# Altium PCB PCB4.PcbDoc (part 11 of 12)
Units mil, origin at the board's own origin, x right, y up, seen from the top; angles counter-clockwise.
Board outline 9204.7 x 4350.39 mil, 4 copper layers (Top Layer, Layer 1, Layer 2, Bottom Layer), stack 23.756 mil thick; 1824 components, 1732 nets, 6090 pads, 1022 vias.
Unrouted connection lines stored in the file: 2463.
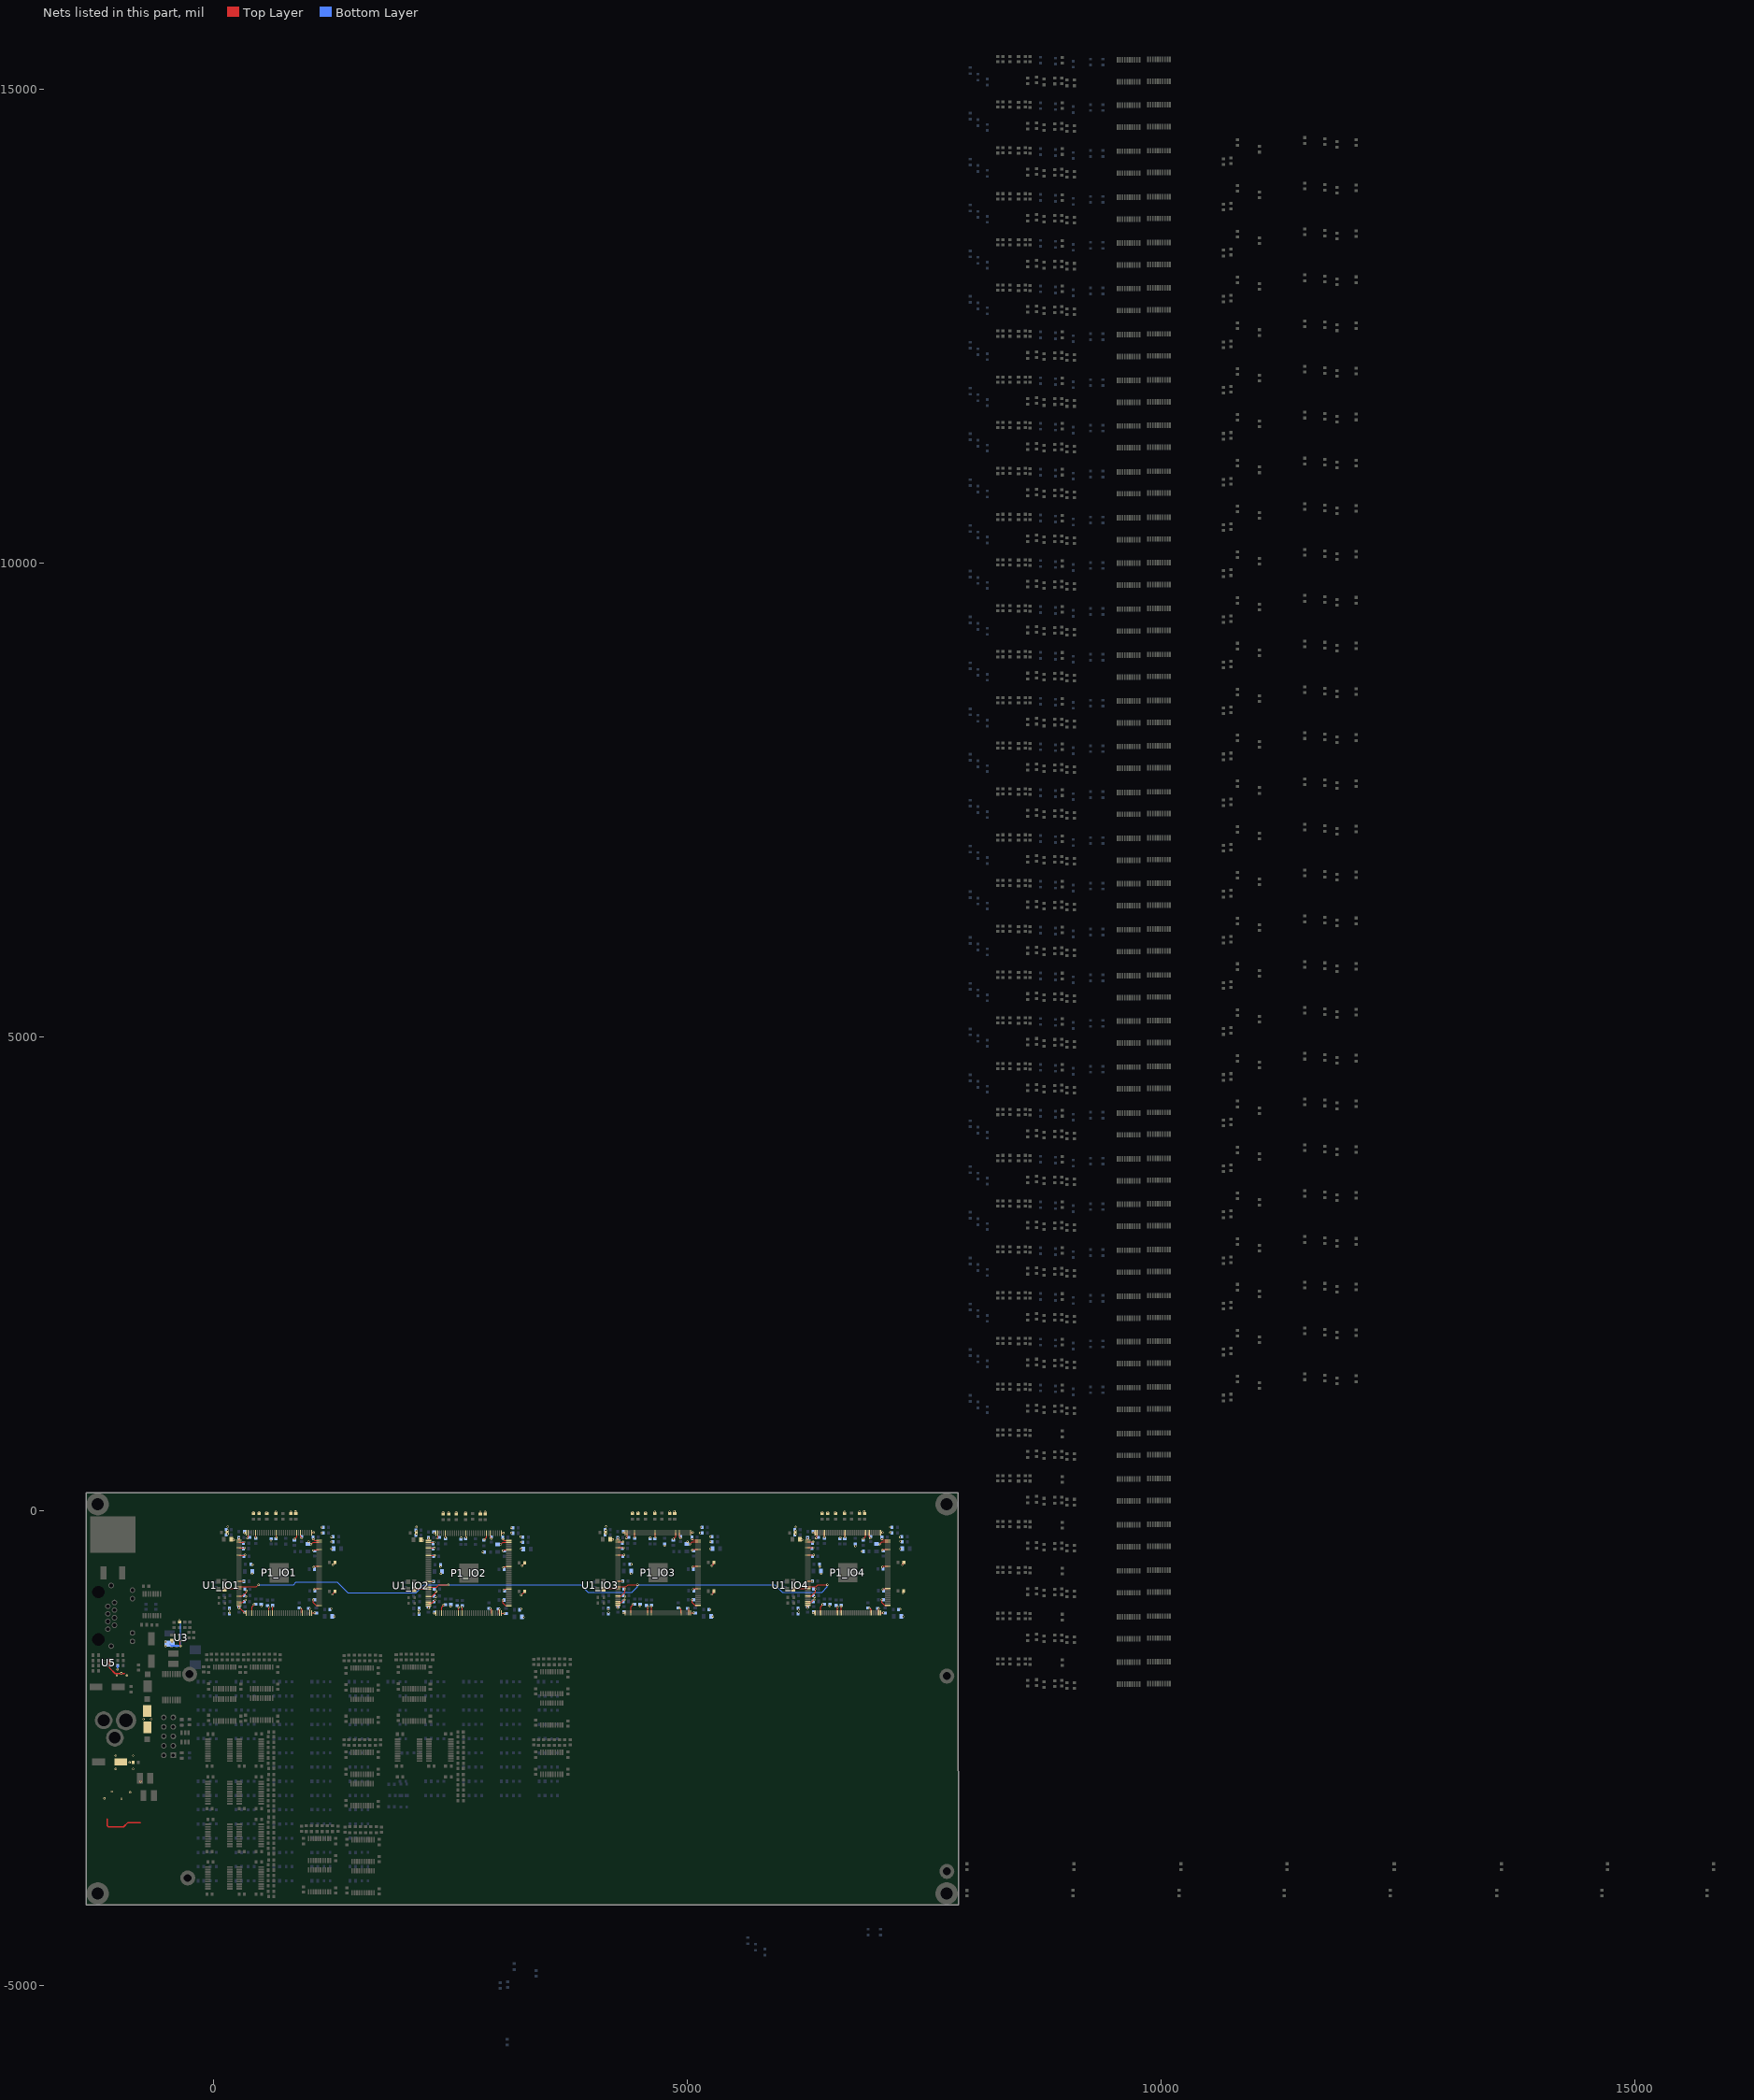
[diagram p13: the nets of this part, all layers, seen from the top]

## Via types
v1: diameter 24, hole 12, Top Layer to Bottom Layer, 1022 vias

## Nets (pads, with @x,y where several pads share a name; then routed paths per layer and width w, separated by ;. In a path a pad name is that pad's centre, name@x,y a point inside that pad or via, vN(x,y) a via of type N, cw(c..) or ccw(c..) an arc to the next point about the centre after c; other vN are vias at no path point) (continued)
VCC_12V: C19.2 C20.2 C73.1 C74.2 D5.1 D6.1 R15.2 R37.1 U3.2 U5.1 U5.8 | length 1194.8
  Top Layer w12: U3.2@-350.27,-1368.8 -350.27,-1418.22 v1(-346.97,-1421.52)
  Top Layer w15: -1119.57,-3248.51 -1117.5,-3250.58 -1117.5,-3320.6 -1115.5,-3320.6 -1104.71,-3331.39 -946.88,-3331.39 -900.64,-3285.15 -769.84,-3285.15 ; U5.1@-1092.1,-1574.22 U5.8@-1092.1,-1627.37 -1092.1,-1656.58 -1035.48,-1713.2 -934.47,-1713.2
  Bottom Layer w12: C19.2@-461.8,-1399.52 C19.2@-439.8,-1421.52 ; v1(-357.6,-1152.6) -346.97,-1163.23 v1(-346.97,-1421.52)
  Bottom Layer w15: v1@-1009.95,-1664.92 -1009.66,-1664.64 R37.1@-1009.66,-1629.32
  Bottom Layer w20: C19.2@-439.8,-1421.52 v1(-346.97,-1421.52)
  other v1: -968.5,-3035.6 -1148.5,-3029.6 -876.5,-2967.6 -1069.5,-2958.6 -769.25,-2851.29 -1028.4,-2719.5 -845.7,-2719.5 -883.9,-2651.8 -1028.4,-2579 -845.7,-2579 -736.2,-2194.1 -656.7,-2194.1 -1018.16,-1735.42 -910.76,-1735.42 -970.16,-1709.82 -1010.26,-1667.92 -503,-1422.2 -503,-1380 -435.3,-1380.5
VCC_FPGA_IO1: C2_POWER1.1 C3_POWER1.1 C4_POWER1.1 C5_POWER1.1 C6_POWER1.1 C7_POWER1.1 C9_POWER1.1 C10_POWER1.2 C11_POWER1.2 C12_POWER1.1 C13_POWER1.1 C15_POWER1.1 C16_POWER1.1 C17_POWER1.1 C23_POWER1.1 C24_POWER1.1 C45_POWER1.1 C46_POWER1.2 C47_POWER1.1 C48_POWER1.1 C49_POWER1.1 C51_POWER1.1 C52_POWER1.1 C53_POWER1.1 C54_POWER1.1 C55_POWER1.2 C56_POWER1.2 C57_POWER1.1 C58_POWER1.1 C59_POWER1.1 C60_POWER1.1 C61_POWER1.1 C62_POWER1.1 C64_POWER1.1 C65_POWER1.1 C66_POWER1.1 C67_POWER1.1 C68_POWER1.1 C69_POWER1.2 C70_POWER1.2 C71_POWER1.2 C72_POWER1.2 L1_POWER1.2 L3_POWER1.2 P1_IO1.1 P1_IO1.2 P1_IO1.5 P1_IO1.9 P1_IO1.23 P1_IO1.31 P1_IO1.34 P1_IO1.35 P1_IO1.36 P1_IO1.37 P1_IO1.40 P1_IO1.49 P1_IO1.51 P1_IO1.67 P1_IO1.71 P1_IO1.72 P1_IO1.73 P1_IO1.82 P1_IO1.94 P1_IO1.103 P1_IO1.107 P1_IO1.108 P1_IO1.109 P1_IO1.115 P1_IO1.117 P1_IO1.128 P1_IO1.139 P1_IO1.143 P1_IO1.144 R1_IO1.1 R2_IO1.1 R3_IO1.1 R4_IO1.1 R5_IO1.1 R6_IO1.1 R7_IO1.1 R14_IO1.2 R20_IO1.2 | length 1793.6
  Top Layer w10: v1(270.1,-282.67) 270.1,-305.95 P1_IO1.1@270.71,-306.57 P1_IO1.1@270.95,-306.81 ; 270.71,-966.02 305.48,-966.02 325.2,-946.3 325.41,-946.3 334.41,-937.3 v1(338.2,-937.3) ; P1_IO1.31@270.71,-897.12 270.93,-896.9 307.6,-896.9 349.2,-855.3 v1(349.2,-841.3) ; P1_IO1.23@270.71,-739.64 v1(319.66,-739.64) ; P1_IO1.9@270.71,-464.05 270.96,-464.3 332.06,-464.3 v1@334.78,-461.59 ; P1_IO1.5@270.71,-385.31 271.26,-385.85 330.42,-385.85 v1(330.97,-386.4) ; P1_IO1.2@270.71,-326.25 270.95,-326.01 327.26,-326.01 v1(327.5,-325.76) ; P1_IO1.36@270.83,-995.42 P1_IO1.36@270.71,-995.54 270.71,-1015.54 328.98,-1073.81 P1_IO1.37@348.98,-1073.81 ; v1(328.96,-228.2) 329.06,-228.3 P1_IO1.144@348.98,-228.3 P1_IO1.144@349.22,-228.05 ; v1(360.52,-283.77) 360.66,-283.77 368.66,-275.77 P1_IO1.143@368.66,-228.3 ; P1_IO1.40@408.03,-1073.81 408.03,-1009.46 429.26,-988.24 v1(429.26,-986.1) ; v1(447.4,-277.25) P1_IO1.139@447.4,-228.3 ; P1_IO1.49@585.2,-1073.81 585.7,-1073.31 585.7,-1011.8 v1(586.2,-1011.3) ; v1(623.44,-1005.91) 624.42,-1006.89 624.42,-1073.66 P1_IO1.51@624.57,-1073.81 ; v1(663.94,-277.25) P1_IO1.128@663.94,-228.3 ; v1(856.15,-294.18) 880.47,-269.86 P1_IO1.117@880.47,-228.3 ; P1_IO1.115@919.84,-228.3 919.84,-271.63 931.66,-283.45 v1(931.66,-286.27) ; v1(920.65,-1025.78) 923.72,-1025.78 938.62,-1040.68 938.62,-1072.91 P1_IO1.67@939.53,-1073.81 ; v1@1019.2,-1031.3 1018.23,-1032.26 P1_IO1.71@1018.23,-1073.78 ; v1@1032.2,-347.3 1053.25,-326.25 P1_IO1.107@1116.22,-326.25 ; P1_IO1.72@1037.95,-1073.81 P1_IO1.72@1037.95,-1073.81 v1(1069.62,-1073.77) ; P1_IO1.109@1037.95,-228.3 1039.63,-226.63 v1(1059.58,-226.63) ; v1(1054.08,-936.27) 1054.08,-965.63 1083.09,-994.64 1115.32,-994.64 P1_IO1.73@1116.22,-995.54 ; v1(1054.18,-293.34) 1067.4,-306.57 P1_IO1.108@1116.22,-306.57 ; v1(1056.43,-414.36) 1060.22,-414.36 1069.59,-404.99 P1_IO1.103@1116.22,-404.99 ; v1(1060.24,-591.49) 1063.51,-591.49 1073.1,-581.9 1115.96,-581.9 P1_IO1.94@1116.22,-582.16 ; v1(1062.68,-828.07) 1066.47,-828.07 1077.04,-817.5 1115.34,-817.5 P1_IO1.82@1116.22,-818.38 ; v1(1256.7,-878.01) 1256.7,-874.3 1284.2,-846.8 R20_IO1.2@1284.2,-844.3 ; v1(1261.18,-566.03) 1262.96,-566.03 1285.2,-543.8 R14_IO1.2@1285.2,-541.3 ; P1_IO1.71@1018.23,-1073.78 P1_IO1.71@1018.27,-1073.81
  other v1: 1277.93,-1112.87 174.2,-1074.8 329.19,-1074.02 170.3,-1036.7 1018.2,-1029.3 1244.7,-1028.8 269.39,-1021.59 506.4,-1001.1 343.85,-899.18 409.5,-660.8 413.07,-563.86 334.2,-462.3 1248,-395.8 1030.5,-347.69 1246.9,-324.6 1005.8,-322.1 608.88,-308.19 215.5,-303.9 1246.3,-272.3 151.55,-239.52 1141.8,-230 152.74,-203.92 1144.6,-169.4 152.14,-163.55 422.2,-11.3 481.2,-11.3 561.2,-11.3 661.2,-8.3 816.2,-6.3 866.49,-4.74
VCC_FPGA_IO2: C2_POWER2.1 C3_POWER2.1 C4_POWER2.1 C5_POWER2.1 C6_POWER2.1 C7_POWER2.1 C9_POWER2.1 C10_POWER2.2 C11_POWER2.2 C12_POWER2.1 C13_POWER2.1 C15_POWER2.1 C16_POWER2.1 C17_POWER2.1 C23_POWER2.1 C24_POWER2.1 C45_POWER2.1 C46_POWER2.2 C47_POWER2.1 C48_POWER2.1 C49_POWER2.1 C51_POWER2.1 C52_POWER2.1 C53_POWER2.1 C54_POWER2.1 C55_POWER2.2 C56_POWER2.2 C57_POWER2.1 C58_POWER2.1 C59_POWER2.1 C60_POWER2.1 C61_POWER2.1 C62_POWER2.1 C64_POWER2.1 C65_POWER2.1 C66_POWER2.1 C67_POWER2.1 C68_POWER2.1 C69_POWER2.2 C70_POWER2.2 C71_POWER2.2 C72_POWER2.2 L1_POWER2.2 L3_POWER2.2 P1_IO2.1 P1_IO2.2 P1_IO2.5 P1_IO2.9 P1_IO2.23 P1_IO2.31 P1_IO2.34 P1_IO2.35 P1_IO2.36 P1_IO2.37 P1_IO2.40 P1_IO2.49 P1_IO2.51 P1_IO2.67 P1_IO2.71 P1_IO2.72 P1_IO2.73 P1_IO2.82 P1_IO2.94 P1_IO2.103 P1_IO2.107 P1_IO2.108 P1_IO2.109 P1_IO2.115 P1_IO2.117 P1_IO2.128 P1_IO2.139 P1_IO2.143 P1_IO2.144 R1_IO2.1 R2_IO2.1 R3_IO2.1 R4_IO2.1 R5_IO2.1 R6_IO2.1 R7_IO2.1 R14_IO2.2 R20_IO2.2 R30.1 | length 1732.9
  Top Layer w10: v1(2270.49,-1024.19) 2271.81,-1022.87 P1_IO2.36@2271.81,-998.14 P1_IO2.36@2271.93,-998.02 ; v1(2271.2,-285.27) 2271.2,-308.55 P1_IO2.1@2271.81,-309.17 P1_IO2.1@2272.05,-309.41 ; 2271.81,-968.62 2306.58,-968.62 2326.3,-948.9 2326.51,-948.9 2335.51,-939.9 v1(2339.3,-939.9) ; P1_IO2.31@2271.81,-899.72 2272.03,-899.5 2308.7,-899.5 2350.3,-857.9 v1(2350.3,-843.9) ; P1_IO2.23@2271.81,-742.24 v1(2320.76,-742.24) ; P1_IO2.9@2271.81,-466.65 2272.06,-466.9 2333.16,-466.9 v1@2335.88,-464.19 ; P1_IO2.5@2271.81,-387.91 2272.36,-388.45 2331.52,-388.45 v1(2332.07,-389) ; P1_IO2.2@2271.81,-328.85 2272.05,-328.61 2328.36,-328.61 v1(2328.6,-328.36) ; v1(2330.06,-230.8) 2330.16,-230.9 P1_IO2.144@2350.08,-230.9 P1_IO2.144@2350.32,-230.65 ; v1(2330.29,-1076.62) 2332.57,-1076.62 2332.79,-1076.41 P1_IO2.37@2350.08,-1076.41 ; v1(2361.62,-286.37) 2361.76,-286.37 2369.76,-278.37 P1_IO2.143@2369.76,-230.9 ; P1_IO2.40@2409.13,-1076.41 2409.13,-1012.06 2430.36,-990.84 v1(2430.36,-988.7) ; v1(2448.5,-279.85) P1_IO2.139@2448.5,-230.9 ; P1_IO2.49@2586.3,-1076.41 2586.8,-1075.91 2586.8,-1014.4 v1(2587.3,-1013.9) ; v1(2624.54,-1008.51) 2625.52,-1009.49 2625.52,-1076.26 P1_IO2.51@2625.67,-1076.41 ; v1(2665.04,-279.85) P1_IO2.128@2665.04,-230.9 ; v1(2857.25,-296.78) 2881.57,-272.46 P1_IO2.117@2881.57,-230.9 ; P1_IO2.115@2920.94,-230.9 2920.94,-274.23 2932.76,-286.05 v1(2932.76,-288.87) ; v1(2921.75,-1028.38) 2924.82,-1028.38 2939.72,-1043.28 2939.72,-1075.51 P1_IO2.67@2940.63,-1076.41 ; v1@3020.3,-1033.9 3019.33,-1034.86 P1_IO2.71@3019.33,-1076.38 ; v1@3033.3,-349.9 3054.35,-328.85 P1_IO2.107@3117.32,-328.85 ; P1_IO2.72@3039.05,-1076.41 P1_IO2.72@3039.05,-1076.41 v1(3070.72,-1076.37) ; P1_IO2.109@3039.05,-230.9 3040.73,-229.23 v1(3060.68,-229.23) ; v1(3055.18,-938.87) 3055.18,-968.23 3084.19,-997.24 3116.42,-997.24 P1_IO2.73@3117.32,-998.14 ; v1(3055.28,-295.94) 3068.5,-309.17 P1_IO2.108@3117.32,-309.17 ; v1(3057.53,-416.96) 3061.32,-416.96 3070.69,-407.59 P1_IO2.103@3117.32,-407.59 ; v1(3061.34,-594.09) 3064.61,-594.09 3074.2,-584.5 3117.06,-584.5 P1_IO2.94@3117.32,-584.76 ; v1(3063.78,-830.67) 3067.57,-830.67 3078.14,-820.1 3116.44,-820.1 P1_IO2.82@3117.32,-820.98 ; v1(3249.48,-884.78) 3249.92,-884.78 3285.3,-849.4 R20_IO2.2@3285.3,-846.9 ; v1(3259.36,-575.76) 3259.36,-573.34 3286.3,-546.4 R14_IO2.2@3286.3,-543.9 ; P1_IO2.71@3019.33,-1076.38 P1_IO2.71@3019.37,-1076.41
  other v1: 3275.26,-1119.71 2170.2,-1074.2 2170.6,-1041.1 3019.3,-1031.9 3246.6,-1030.7 2504.1,-1004.2 2346.1,-903.4 2400.3,-658.1 2397.72,-586.61 2335.3,-464.9 2845.5,-430.3 3248.2,-398.5 3031.6,-350.29 3250.5,-325.8 2215.5,-309 2615.14,-280.43 3245.05,-269.55 2144.58,-242.76 3144.2,-230.5 2143.83,-207.88 3143.5,-174.2 2145.17,-166.78 2423.3,-13.9 2482.3,-13.9 2562.3,-13.9 2662.3,-10.9 2817.3,-8.9 2867.59,-7.34
VCC_FPGA_IO3: C2_POWER3.1 C3_POWER3.1 C4_POWER3.1 C5_POWER3.1 C6_POWER3.1 C7_POWER3.1 C9_POWER3.1 C10_POWER3.2 C11_POWER3.2 C12_POWER3.1 C13_POWER3.1 C15_POWER3.1 C16_POWER3.1 C17_POWER3.1 C23_POWER3.1 C24_POWER3.1 C45_POWER3.1 C46_POWER3.2 C47_POWER3.1 C48_POWER3.1 C49_POWER3.1 C51_POWER3.1 C52_POWER3.1 C53_POWER3.1 C54_POWER3.1 C55_POWER3.2 C56_POWER3.2 C57_POWER3.1 C58_POWER3.1 C59_POWER3.1 C60_POWER3.1 C61_POWER3.1 C62_POWER3.1 C64_POWER3.1 C65_POWER3.1 C66_POWER3.1 C67_POWER3.1 C68_POWER3.1 C69_POWER3.2 C70_POWER3.2 C71_POWER3.2 C72_POWER3.2 L1_POWER3.2 L3_POWER3.2 P1_IO3.1 P1_IO3.2 P1_IO3.5 P1_IO3.9 P1_IO3.23 P1_IO3.31 P1_IO3.34 P1_IO3.35 P1_IO3.36 P1_IO3.37 P1_IO3.40 P1_IO3.49 P1_IO3.51 P1_IO3.67 P1_IO3.71 P1_IO3.72 P1_IO3.73 P1_IO3.82 P1_IO3.94 P1_IO3.103 P1_IO3.107 P1_IO3.108 P1_IO3.109 P1_IO3.115 P1_IO3.117 P1_IO3.128 P1_IO3.139 P1_IO3.143 P1_IO3.144 R1_IO3.1 R2_IO3.1 R3_IO3.1 R4_IO3.1 R5_IO3.1 R6_IO3.1 R7_IO3.1 R14_IO3.2 R20_IO3.2 R31.1 | length 1741.5
  Top Layer w10: v1(4267.39,-1020.74) 4268.71,-1019.42 P1_IO3.36@4268.71,-994.69 P1_IO3.36@4268.83,-994.57 ; v1(4268.1,-281.82) 4268.1,-305.1 P1_IO3.1@4268.71,-305.72 P1_IO3.1@4268.95,-305.96 ; 4268.71,-965.17 4303.48,-965.17 4323.2,-945.45 4323.41,-945.45 4332.41,-936.45 v1(4336.2,-936.45) ; P1_IO3.31@4268.71,-896.27 4268.93,-896.05 4305.6,-896.05 4345.21,-856.44 v1(4345.21,-821.81) ; P1_IO3.23@4268.71,-738.79 v1(4317.66,-738.79) ; P1_IO3.9@4268.71,-463.2 4268.96,-463.45 4330.06,-463.45 v1@4332.78,-460.74 ; P1_IO3.5@4268.71,-384.46 4269.26,-385 4328.42,-385 v1(4328.97,-385.55) ; P1_IO3.2@4268.71,-325.4 4268.95,-325.16 4325.26,-325.16 v1(4325.5,-324.91) ; v1(4326.96,-227.35) 4327.06,-227.45 P1_IO3.144@4346.98,-227.45 P1_IO3.144@4347.22,-227.21 ; v1(4327.19,-1073.17) 4329.47,-1073.17 4329.69,-1072.96 P1_IO3.37@4346.98,-1072.96 ; v1(4358.52,-282.92) 4358.66,-282.92 4366.66,-274.92 P1_IO3.143@4366.66,-227.45 ; P1_IO3.40@4406.03,-1072.96 4406.03,-1008.61 4427.26,-987.39 v1(4427.26,-985.25) ; v1(4445.4,-276.4) P1_IO3.139@4445.4,-227.45 ; P1_IO3.49@4583.2,-1072.96 4583.7,-1072.46 4583.7,-1010.95 v1(4584.2,-1010.45) ; v1(4621.44,-1005.06) 4622.42,-1006.04 4622.42,-1072.81 P1_IO3.51@4622.57,-1072.96 ; v1(4661.94,-276.4) P1_IO3.128@4661.94,-227.45 ; v1(4854.15,-293.33) 4878.47,-269.01 P1_IO3.117@4878.47,-227.45 ; P1_IO3.115@4917.84,-227.45 4917.84,-270.78 4929.66,-282.6 v1(4929.66,-285.42) ; v1(4918.65,-1024.93) 4921.72,-1024.93 4936.62,-1039.83 4936.62,-1072.06 P1_IO3.67@4937.53,-1072.96 ; v1@5017.2,-1030.45 5016.23,-1031.41 P1_IO3.71@5016.23,-1072.93 ; v1@5030.2,-346.45 5051.25,-325.4 P1_IO3.107@5114.22,-325.4 ; P1_IO3.72@5035.95,-1072.96 5036,-1072.92 v1(5067.62,-1072.92) ; P1_IO3.109@5035.95,-227.45 5037.63,-225.78 v1(5057.58,-225.78) ; v1(5052.08,-935.42) 5052.08,-964.78 5081.09,-993.79 5113.32,-993.79 P1_IO3.73@5114.22,-994.69 ; v1(5052.18,-292.49) 5065.4,-305.72 P1_IO3.108@5114.22,-305.72 ; v1(5054.43,-413.51) 5058.22,-413.51 5067.59,-404.14 P1_IO3.103@5114.22,-404.14 ; v1(5058.24,-590.64) 5061.51,-590.64 5071.1,-581.05 5113.96,-581.05 P1_IO3.94@5114.22,-581.31 ; v1(5060.68,-827.22) 5064.47,-827.22 5075.04,-816.65 5113.34,-816.65 P1_IO3.82@5114.22,-817.53 ; P1_IO3.71@5016.23,-1072.93 P1_IO3.71@5016.27,-1072.96
  Top Layer w15: v1(5259.42,-877.76) 5274.7,-862.48 5274.7,-850.95 R20_IO3.2@5282.2,-843.45 ; v1(5261.88,-574.69) 5275.7,-560.87 5275.7,-547.95 R14_IO3.2@5283.2,-540.45
  other v1: 5271.6,-1110.81 4169.6,-1070.3 5242.81,-1036.3 4167.8,-1033.1 5016.2,-1028.45 4502.3,-1000.3 4342.4,-898.5 4409.2,-658 4410.18,-560.21 4332.2,-461.45 5246.3,-396 4760.4,-365.3 5028.5,-346.84 5002.5,-322.1 5243.74,-322.28 4215.37,-298.03 4610.8,-278.3 5244.2,-268.3 4142.97,-238.31 5138.7,-228.9 4141.7,-202.1 5144.3,-170.3 4143.56,-162.33 4420.2,-10.45 4479.2,-10.45 4559.2,-10.45 4659.2,-7.45 4814.2,-5.45 4864.49,-3.89
VCC_FPGA_IO4: C2_POWER4.1 C3_POWER4.1 C4_POWER4.1 C5_POWER4.1 C6_POWER4.1 C7_POWER4.1 C9_POWER4.1 C10_POWER4.2 C11_POWER4.2 C12_POWER4.1 C13_POWER4.1 C15_POWER4.1 C16_POWER4.1 C17_POWER4.1 C23_POWER4.1 C24_POWER4.1 C45_POWER4.1 C46_POWER4.2 C47_POWER4.1 C48_POWER4.1 C49_POWER4.1 C51_POWER4.1 C52_POWER4.1 C53_POWER4.1 C54_POWER4.1 C55_POWER4.2 C56_POWER4.2 C57_POWER4.1 C58_POWER4.1 C59_POWER4.1 C60_POWER4.1 C61_POWER4.1 C62_POWER4.1 C64_POWER4.1 C65_POWER4.1 C66_POWER4.1 C67_POWER4.1 C68_POWER4.1 C69_POWER4.2 C70_POWER4.2 C71_POWER4.2 C72_POWER4.2 L1_POWER4.2 L3_POWER4.2 P1_IO4.1 P1_IO4.2 P1_IO4.5 P1_IO4.9 P1_IO4.23 P1_IO4.31 P1_IO4.34 P1_IO4.35 P1_IO4.36 P1_IO4.37 P1_IO4.40 P1_IO4.49 P1_IO4.51 P1_IO4.67 P1_IO4.71 P1_IO4.72 P1_IO4.73 P1_IO4.82 P1_IO4.94 P1_IO4.103 P1_IO4.107 P1_IO4.108 P1_IO4.109 P1_IO4.115 P1_IO4.117 P1_IO4.128 P1_IO4.139 P1_IO4.143 P1_IO4.144 R1_IO4.1 R2_IO4.1 R3_IO4.1 R4_IO4.1 R5_IO4.1 R6_IO4.1 R7_IO4.1 R14_IO4.2 R20_IO4.2 R33.1 R34.1 | length 1695.3
  Top Layer w10: v1(6270.39,-1020.59) 6271.71,-1019.27 P1_IO4.36@6271.71,-994.54 P1_IO4.36@6271.83,-994.42 ; v1(6271.1,-281.67) 6271.1,-304.95 P1_IO4.1@6271.71,-305.57 P1_IO4.1@6271.95,-305.81 ; 6271.71,-965.02 6306.48,-965.02 6326.2,-945.3 6326.41,-945.3 6335.41,-936.3 v1(6339.2,-936.3) ; P1_IO4.31@6271.71,-896.12 6271.93,-895.9 6308.6,-895.9 6352.21,-852.28 v1(6352.21,-821.34) ; P1_IO4.23@6271.71,-738.64 v1(6320.66,-738.64) ; P1_IO4.9@6271.71,-463.05 6271.96,-463.3 6333.06,-463.3 v1@6335.78,-460.59 ; P1_IO4.5@6271.71,-384.31 6272.26,-384.85 6331.42,-384.85 v1(6331.97,-385.4) ; P1_IO4.2@6271.71,-325.25 6271.95,-325.01 6328.26,-325.01 v1(6328.5,-324.76) ; v1(6329.96,-227.2) 6330.06,-227.3 P1_IO4.144@6349.98,-227.3 P1_IO4.144@6350.22,-227.05 ; v1(6330.19,-1073.02) 6332.47,-1073.02 6332.69,-1072.81 P1_IO4.37@6349.98,-1072.81 ; v1(6361.52,-282.77) 6361.66,-282.77 6369.66,-274.77 P1_IO4.143@6369.66,-227.3 ; P1_IO4.40@6409.03,-1072.81 6409.03,-1008.46 6430.26,-987.24 v1(6430.26,-985.1) ; v1(6448.4,-276.25) P1_IO4.139@6448.4,-227.3 ; P1_IO4.49@6586.2,-1072.81 6586.7,-1072.31 6586.7,-1010.8 v1(6587.2,-1010.3) ; v1(6624.44,-1004.91) 6625.42,-1005.89 6625.42,-1072.66 P1_IO4.51@6625.57,-1072.81 ; v1(6664.94,-276.25) P1_IO4.128@6664.94,-227.3 ; v1(6857.15,-293.18) 6881.47,-268.86 P1_IO4.117@6881.47,-227.3 ; P1_IO4.115@6920.84,-227.3 6920.84,-270.63 6932.66,-282.45 v1(6932.66,-285.27) ; v1(6921.65,-1024.78) 6924.72,-1024.78 6939.62,-1039.68 6939.62,-1071.91 P1_IO4.67@6940.53,-1072.81 ; v1@7020.2,-1030.3 7019.23,-1031.26 P1_IO4.71@7019.23,-1072.78 ; v1@7033.2,-346.3 7054.25,-325.25 P1_IO4.107@7117.22,-325.25 ; P1_IO4.72@7038.95,-1072.81 P1_IO4.72@7038.95,-1072.81 v1(7070.62,-1072.77) ; P1_IO4.109@7038.95,-227.3 7040.63,-225.63 v1(7060.58,-225.63) ; v1(7055.08,-935.27) 7055.08,-964.63 7084.09,-993.64 7116.32,-993.64 P1_IO4.73@7117.22,-994.54 ; v1(7055.18,-292.34) 7068.4,-305.57 P1_IO4.108@7117.22,-305.57 ; v1(7057.43,-413.36) 7061.22,-413.36 7070.59,-403.99 P1_IO4.103@7117.22,-403.99 ; v1(7061.24,-590.49) 7064.51,-590.49 7074.1,-580.9 7116.96,-580.9 P1_IO4.94@7117.22,-581.16 ; v1(7063.68,-827.07) 7067.47,-827.07 7078.04,-816.5 7116.34,-816.5 P1_IO4.82@7117.22,-817.38 ; P1_IO4.71@7019.23,-1072.78 P1_IO4.71@7019.27,-1072.81